# Altium PCB Slave_LHS.PcbDoc (part 3 of 3)
Units mm, origin at the board's own origin, x right, y up, seen from the top; angles counter-clockwise.
Board outline 65 x 162 mm, 4 copper layers (Top Layer, Int1 (GND), Int2 (PWR), Bottom Layer), stack 1.369 mm thick; 258 components, 190 nets, 698 pads, 180 vias.
Unrouted connection lines stored in the file: 7.
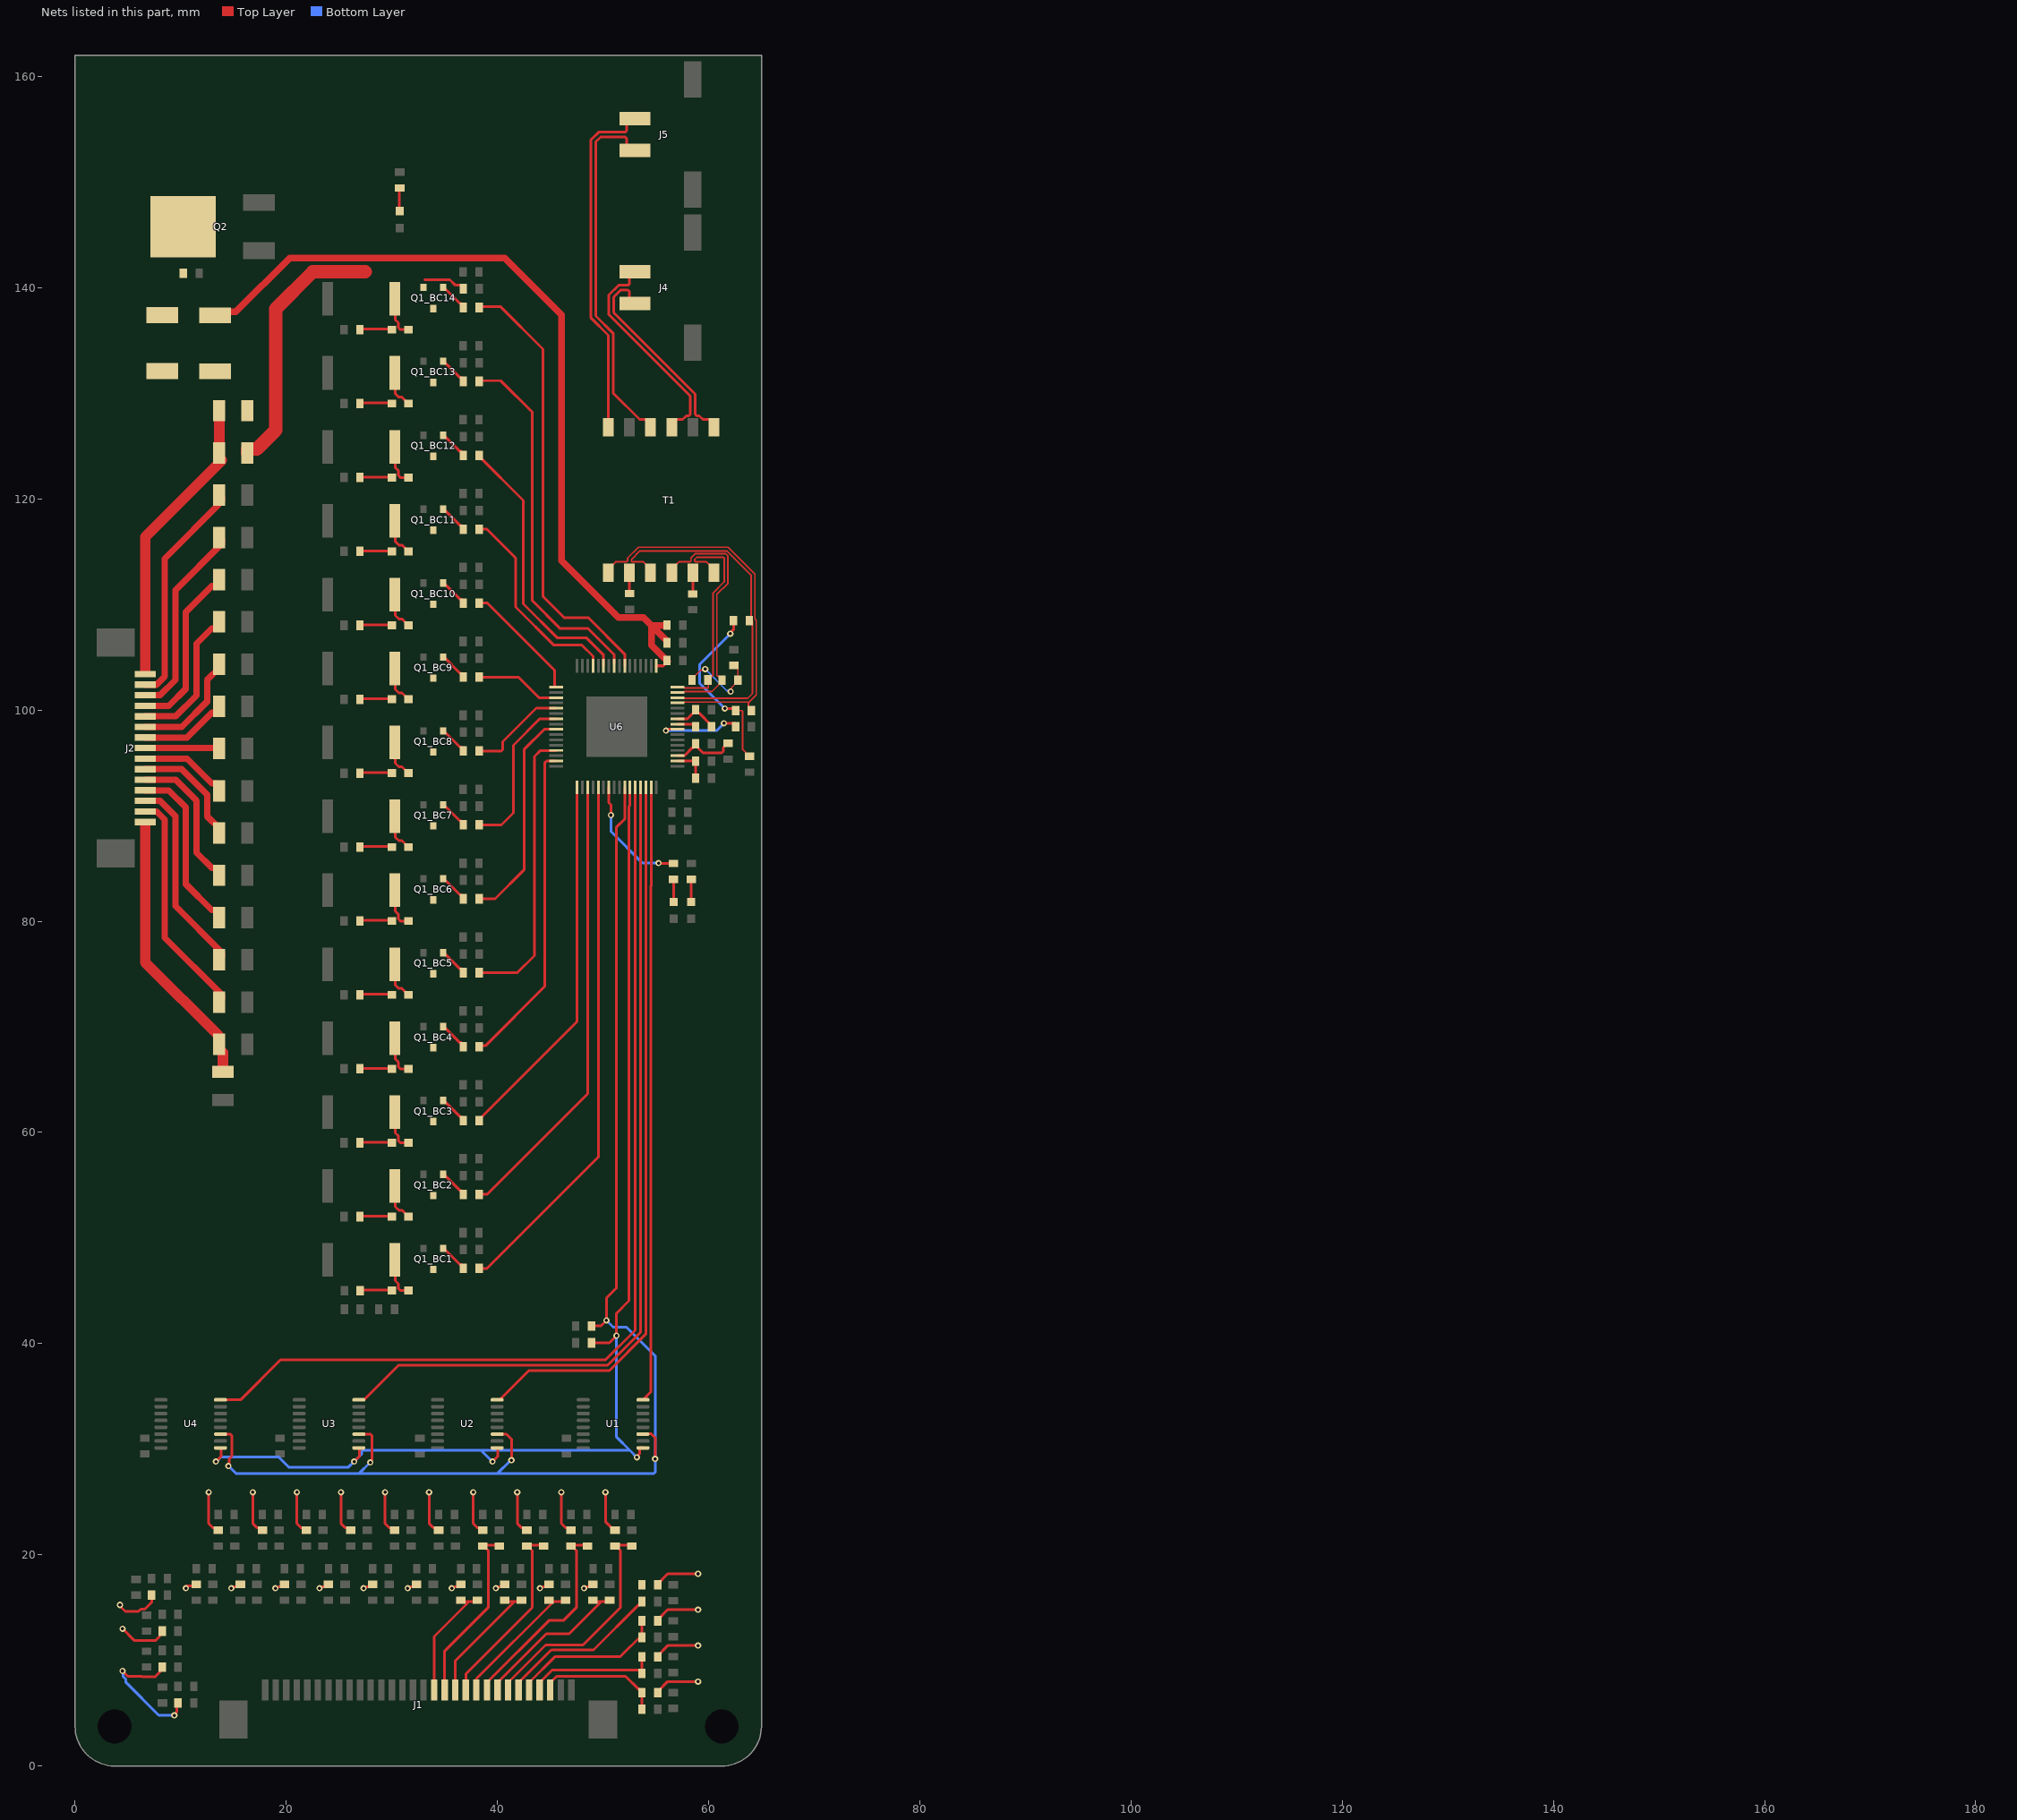
[diagram p3: the nets of this part, all layers, seen from the top]

## Via types
v1: diameter 0.6, hole 0.3, Top Layer to Bottom Layer, 180 vias

## Nets (pads, with @x,y where several pads share a name; then routed paths per layer and width w, separated by ;. In a path a pad name is that pad's centre, name@x,y a point inside that pad or via, vN(x,y) a via of type N, cw(c..) or ccw(c..) an arc to the next point about the centre after c; other vN are vias at no path point) (continued)
FPC17: J1.17 R21_AFE17.1 R22_AFE17.1 | length 11.7
  Top Layer w0.254: J1.17@34,7.2 34,12.262 37.313,15.575 ; R21_AFE17.1@36.202,15.477 36.425,15.7 R21_AFE17.1@36.525,15.7 ; R21_AFE17.1@36.525,15.575 37.313,15.575 ; R22_AFE17.1@38.1,15.575 37.313,15.575
FPC18: J1.18 R21_AFE18.1 R22_AFE18.1 | length 17.2
  Top Layer w0.254: J1.18@35,7.2 35,10.875 39.125,15 39.125,20.412 38.713,20.825 R21_AFE18.1@38.613,20.825 38.687,20.9 40.113,20.9 R22_AFE18.1@40.188,20.825
FPC19: J1.19 R21_AFE19.1 R22_AFE19.1 | length 12.2
  Top Layer w0.254: J1.19@36,7.2 36,9.962 41.488,15.45 ; R21_AFE19.1@40.7,15.7 40.825,15.575 42.15,15.575 R22_AFE19.1@42.275,15.7
FPC20: J1.20 R21_AFE20.1 R22_AFE20.1 | length 18.1
  Top Layer w0.254: J1.20@37,7.2 37,8.7 43.3,15 43.3,20.412 42.888,20.825 R21_AFE20.1@42.788,20.825 42.862,20.9 44.288,20.9 R22_AFE20.1@44.363,20.825
FPC21: J1.21 R21_AFE21.1 R22_AFE21.1 | length 13.4
  Top Layer w0.254: J1.21@38,7.2 38,8.25 R21_AFE21.1@45.325,15.575 ; R21_AFE21.1@44.552,15.477 44.775,15.7 R21_AFE21.1@44.875,15.7 ; R21_AFE21.1@44.875,15.575 R21_AFE21.1@45.325,15.575 ; R22_AFE21.1@46.45,15.575 R21_AFE21.1@45.325,15.575
FPC22: J1.22 R21_AFE22.1 R22_AFE22.1 | length 19.8
  Top Layer w0.254: J1.22@39,7.2 39,7.895 44.88,13.775 46.25,13.775 47.475,15 47.475,20.412 47.063,20.825 R21_AFE22.1@46.963,20.825 47.037,20.9 48.463,20.9 R22_AFE22.1@48.538,20.825
FPC23: J1.23 R21_AFE23.1 R22_AFE23.1 | length 15.3
  Top Layer w0.254: J1.23@40,7.2 40,7.895 44.63,12.525 46.788,12.525 49.838,15.575 ; R21_AFE23.1@49.05,15.575 49.838,15.575 ; R22_AFE23.1@50.625,15.575 49.838,15.575
FPC24: J1.24 R21_AFE24.1 R22_AFE24.1 | length 22
  Top Layer w0.254: J1.24@41,7.2 41,7.895 44.555,11.45 48.1,11.45 51.65,15 51.65,20.412 51.238,20.825 R21_AFE24.1@51.138,20.825 51.212,20.9 52.638,20.9 R22_AFE24.1@52.713,20.825
FPC25: J1.25 R21_AFE25.1 R22_AFE25.1 | length 15.6
  Top Layer w0.254: J1.25@42,7.2 42,7.895 45.105,11 49.1,11 53.352,15.252 53.452,15.252 53.675,15.475 R22_AFE25.1@53.675,15.575
FPC26: J1.26 R21_AFE26.1 R22_AFE26.1 | length 14.8
  Top Layer w0.254: J1.26@43,7.2 43,7.895 45.48,10.375 51.65,10.375 R22_AFE26.1@53.675,12.4 ; R22_AFE26.1@53.675,12.175 R22_AFE26.1@53.675,12.4 ; R21_AFE26.1@53.675,13.75 R22_AFE26.1@53.675,12.4
FPC27: J1.27 R21_AFE27.1 R22_AFE27.1 | length 12.4
  Top Layer w0.254: J1.27@44,7.2 44,7.895 45.205,9.1 R22_AFE27.1@53.675,9.1 ; R22_AFE27.1@53.675,8.775 R22_AFE27.1@53.675,9.1 ; R21_AFE27.1@53.675,10.35 R22_AFE27.1@53.675,9.1
FPC28: J1.28 R21_AFE28.1 R22_AFE28.1 | length 11.9
  Top Layer w0.254: J1.28@45,7.2 45,7.895 45.605,8.5 52.125,8.5 53.352,7.273 53.452,7.273 53.675,7.05 R21_AFE28.1@53.675,6.95 R22_AFE28.1@53.675,5.375
HC2_BC1: D1_BC1.2 Q1_BC1.3 R5_BC1.1 | length 3.9
  Top Layer w0.254: R5_BC1.1@30.325,47.983 30.325,45.962 30.616,45.671 30.616,45.215 30.806,45.025 D1_BC1.2@31.587,45.025
HC2_BC2: D1_BC2.2 Q1_BC2.3 R5_BC2.1 | length 3.7
  Top Layer w0.254: R5_BC2.1@30.325,54.983 30.325,52.962 30.655,52.632 30.955,52.632 31.512,52.075 D1_BC2.2@31.637,52.075
HC2_BC3: D1_BC3.2 Q1_BC3.3 R5_BC3.1 | length 3.9
  Top Layer w0.254: R5_BC3.1@30.325,61.983 30.325,59.962 30.616,59.671 30.616,59.215 30.806,59.025 D1_BC3.2@31.587,59.025
HC2_BC4: D1_BC4.2 Q1_BC4.3 R5_BC4.1 | length 3.9
  Top Layer w0.254: R5_BC4.1@30.325,68.983 30.325,66.962 30.616,66.671 30.616,66.215 30.806,66.025 D1_BC4.2@31.587,66.025
HC2_BC5: D1_BC5.2 Q1_BC5.3 R5_BC5.1 | length 3.7
  Top Layer w0.254: R5_BC5.1@30.325,75.983 30.325,73.962 30.655,73.632 30.955,73.632 31.512,73.075 D1_BC5.2@31.637,73.075
HC2_BC6: D1_BC6.2 Q1_BC6.3 R5_BC6.1 | length 3.9
  Top Layer w0.254: R5_BC6.1@30.325,82.983 30.325,80.962 30.616,80.671 30.616,80.215 30.806,80.025 D1_BC6.2@31.587,80.025
HC2_BC7: D1_BC7.2 Q1_BC7.3 R5_BC7.1 | length 3.7
  Top Layer w0.254: R5_BC7.1@30.325,89.983 30.325,87.962 30.655,87.632 30.955,87.632 31.512,87.075 D1_BC7.2@31.637,87.075
HC2_BC8: D1_BC8.2 Q1_BC8.3 R5_BC8.1 | length 3.7
  Top Layer w0.254: R5_BC8.1@30.325,96.983 30.325,94.962 30.655,94.632 30.955,94.632 31.512,94.075 D1_BC8.2@31.637,94.075
HC2_BC9: D1_BC9.2 Q1_BC9.3 R5_BC9.1 | length 3.7
  Top Layer w0.254: R5_BC9.1@30.325,103.983 30.325,101.962 30.655,101.632 30.955,101.632 31.512,101.075 D1_BC9.2@31.637,101.075
HC2_BC10: D1_BC10.2 Q1_BC10.3 R5_BC10.1 | length 3.7
  Top Layer w0.254: R5_BC10.1@30.325,110.983 30.325,108.962 30.655,108.632 30.955,108.632 31.512,108.075 D1_BC10.2@31.637,108.075
HC2_BC11: D1_BC11.2 Q1_BC11.3 R5_BC11.1 | length 3.7
  Top Layer w0.254: R5_BC11.1@30.325,117.983 30.325,115.962 30.655,115.632 30.955,115.632 31.512,115.075 D1_BC11.2@31.637,115.075
HC2_BC12: D1_BC12.2 Q1_BC12.3 R5_BC12.1 | length 3.9
  Top Layer w0.254: R5_BC12.1@30.325,124.983 30.325,122.962 30.616,122.671 30.616,122.215 30.806,122.025 D1_BC12.2@31.587,122.025
HC2_BC13: D1_BC13.2 Q1_BC13.3 R5_BC13.1 | length 3.7
  Top Layer w0.254: R5_BC13.1@30.325,131.983 30.325,129.962 30.655,129.632 30.955,129.632 31.512,129.075 D1_BC13.2@31.637,129.075
HC2_BC14: D1_BC14.2 Q1_BC14.3 R5_BC14.1 | length 3.9
  Top Layer w0.254: R5_BC14.1@30.325,138.983 30.325,136.962 30.616,136.671 30.616,136.215 30.806,136.025 D1_BC14.2@31.587,136.025
IA_N: R20.1 T1.7 U6.61 | length 36.5
  Top Layer w0.15: T1.7@50.5,113 50.5,113.347 51.187,114.034 52.237,114.034 52.325,114.122 52.325,114.391 53.353,115.419 61.852,115.419 64.377,112.894 64.377,108.633 64.464,108.545 64.5,108.545 64.5,101.423 63.84,100.763 63.695,100.763 ; U6.61@57.05,100.675 57.575,100.675 57.662,100.763 63.695,100.763 ; R20.1@64.05,99.95 63.775,100.225 63.775,100.682 63.695,100.763
IA_P: R19.2 T1.9 U6.62 | length 34.1
  Top Layer w0.15: T1.9@54.5,113 54.5,113.347 53.813,114.034 52.763,114.034 52.675,114.122 52.675,114.246 53.497,115.069 61.707,115.069 64.027,112.749 64.027,108.652 R19.2@63.85,108.475 64.15,108.475 64.15,101.568 63.695,101.113 63.55,101.113 57.713,101.113 57.7,101.125 57.1,101.125 U6.62@57.05,101.175
IB_N: R18.1 T1.10 U6.63 | length 23.8
  Top Layer w0.15: T1.10@56.5,113 56.5,113.347 57.187,114.034 58.237,114.034 58.325,114.122 58.325,114.391 58.751,114.817 61.603,114.817 61.828,114.592 61.828,112.003 60.78,110.955 60.78,103.28 60.868,103.192 61,103.192 61.275,102.917 R18.1@61.275,102.825 61.275,102.725 60.3,101.75 58.488,101.75 57.713,101.75 57.688,101.725 57.1,101.725 U6.63@57.05,101.675
IB_P: R17.2 T1.12 U6.64 | length 21.5
  Top Layer w0.15: U6.64@57.05,102.175 57.1,102.125 57.688,102.125 57.713,102.1 58.632,102.1 59.975,102.1 59.975,102.8 R17.2@59.925,102.85 59.925,102.932 60.2,103.207 60.342,103.207 60.43,103.295 60.43,111.1 61.478,112.147 61.478,114.379 61.39,114.467 58.896,114.467 58.675,114.246 58.675,114.122 58.763,114.034 59.813,114.034 60.5,113.347 T1.12@60.5,113
IBAIS: R8.2 U6.57 | length 1.8
  Top Layer w0.254: U6.57@57.05,98.675 58.552,98.675 58.775,98.452 R8.2@58.775,98.425
ICMP: R7.2 R8.1 U6.58 | length 4.2
  Top Layer w0.254: U6.58@57.05,99.175 58,99.175 58.775,99.95 58.998,99.727 59.073,99.727 60.275,98.525 R8.1@60.275,98.425
NetC6_2: C6.2 C7.2 C8.2 R9.2 U6.1 | length 80.8
  Top Layer w0.254: C8.2@56.05,104.702 56.05,104.675 C8.2@56.123,104.602
  Top Layer w0.305: U6.1@55.05,104.175 55.696,104.175 C8.2@56.123,104.602 ; C7.2@56.013,108.013 C7.2@56.05,108.05
  Top Layer w0.635: R9.2@13.25,137.375 13.601,137.726 15.226,137.726 20.321,142.821 40.676,142.821 46.064,137.433 46.064,114.144 51.452,108.756 53.843,108.756 54.586,108.013 ; C7.2@56.013,108.013 54.586,108.013 ; C6.2@56.05,106.376 56.087,106.413 56.087,106.513 54.586,108.013 ; C8.2@56.123,104.602 54.586,106.14 54.586,108.013
NetC18_2: C18.2 R17.1 R18.2 | length 8
  Top Layer w0.15: R17.1@58.425,102.85 58.425,102.95 59.264,103.789 59.589,103.789 v1(59.675,103.875) ; v1(62.075,101.75) 62.161,101.836 62.161,102.111 62.775,102.725 62.775,103.95 62.5,104.225 C18.2@62.4,104.225
  Bottom Layer w0.15: v1(59.675,103.875) 61.714,101.836 61.989,101.836 v1(62.075,101.75)
NetC19_2: C19.2 R19.1 R20.2 | length 17
  Top Layer w0.15: R20.2@62.55,99.95 63.137,99.95 63.225,99.862 63.225,96.275 63.5,96 63.5,95.9 63.775,95.625 C19.2@63.875,95.625
  Top Layer w0.254: v1(61.525,100.15) 62.35,100.15 R20.2@62.55,99.95 ; v1(62.05,107.225) 62.05,107.319 62.35,107.619 R19.1@62.35,108.475
  Bottom Layer w0.254: v1(61.525,100.15) 59.146,102.529 59.146,104.321 v1(62.05,107.225)
NetC20_1: C20.1 T1.11 | length 2
  Top Layer w0.254: C20.1@58.5,111 T1.11@58.5,113
NetC21_2: C21.2 T1.8 | length 2
  Top Layer w0.254: C21.2@52.5,111.025 T1.8@52.5,113
NetD1_BC1_1: D1_BC1.1 R6_BC1.2 | length 3
  Top Layer w0.254: R6_BC1.2@27.014,45.075 D1_BC1.1@30.037,45.075
NetD1_BC2_1: D1_BC2.1 R6_BC2.2 | length 3
  Top Layer w0.254: R6_BC2.2@27.014,52.075 D1_BC2.1@30.037,52.075
NetD1_BC3_1: D1_BC3.1 R6_BC3.2 | length 3
  Top Layer w0.254: R6_BC3.2@27.014,59.075 D1_BC3.1@30.037,59.075
NetD1_BC4_1: D1_BC4.1 R6_BC4.2 | length 3
  Top Layer w0.254: R6_BC4.2@27.014,66.075 D1_BC4.1@30.037,66.075
NetD1_BC5_1: D1_BC5.1 R6_BC5.2 | length 3
  Top Layer w0.254: R6_BC5.2@27.014,73.075 D1_BC5.1@30.037,73.075
NetD1_BC6_1: D1_BC6.1 R6_BC6.2 | length 3
  Top Layer w0.254: R6_BC6.2@27.014,80.075 D1_BC6.1@30.037,80.075
NetD1_BC7_1: D1_BC7.1 R6_BC7.2 | length 3
  Top Layer w0.254: R6_BC7.2@27.014,87.075 D1_BC7.1@30.037,87.075
NetD1_BC8_1: D1_BC8.1 R6_BC8.2 | length 3
  Top Layer w0.254: R6_BC8.2@27.014,94.075 D1_BC8.1@30.037,94.075
NetD1_BC9_1: D1_BC9.1 R6_BC9.2 | length 3
  Top Layer w0.254: R6_BC9.2@27.014,101.075 D1_BC9.1@30.037,101.075
NetD1_BC10_1: D1_BC10.1 R6_BC10.2 | length 3
  Top Layer w0.254: R6_BC10.2@27.014,108.075 D1_BC10.1@30.037,108.075
NetD1_BC11_1: D1_BC11.1 R6_BC11.2 | length 3
  Top Layer w0.254: R6_BC11.2@27.014,115.075 D1_BC11.1@30.037,115.075
NetD1_BC12_1: D1_BC12.1 R6_BC12.2 | length 3
  Top Layer w0.254: R6_BC12.2@27.014,122.075 D1_BC12.1@30.037,122.075
NetD1_BC13_1: D1_BC13.1 R6_BC13.2 | length 3
  Top Layer w0.254: R6_BC13.2@27.014,129.075 D1_BC13.1@30.037,129.075
NetD1_BC14_1: D1_BC14.1 R6_BC14.2 | length 3
  Top Layer w0.254: R6_BC14.2@27.014,136.075 D1_BC14.1@30.037,136.075
NetD2_1: D2.1 R12.2 | length 2.2
  Top Layer w0.254: D2.1@30.75,147.25 30.694,147.306 30.694,149.394 R12.2@30.75,149.45
NetD3_1: D3.1 R13.2 | length 2.2
  Top Layer w0.254: D3.1@58.35,81.825 R13.2@58.35,83.975
NetD4_1: D4.1 R14.2 | length 2.2
  Top Layer w0.254: D4.1@56.675,81.825 R14.2@56.675,83.975
NetQ1_BC1_1: Q1_BC1.1 R4_BC1.1 | length 2.8
  Top Layer w0.254: Q1_BC1.1@34.925,49.075 34.925,49.025 36.452,47.498 36.602,47.498 36.825,47.275 R4_BC1.1@36.825,47.175
NetQ1_BC2_1: Q1_BC2.1 R4_BC2.1 | length 2.8
  Top Layer w0.254: Q1_BC2.1@34.925,56.075 34.925,56.025 36.452,54.498 36.602,54.498 36.825,54.275 R4_BC2.1@36.825,54.175
NetQ1_BC3_1: Q1_BC3.1 R4_BC3.1 | length 2.8
  Top Layer w0.254: Q1_BC3.1@34.925,63.075 34.925,63.025 36.452,61.498 36.602,61.498 36.825,61.275 R4_BC3.1@36.825,61.175
NetQ1_BC4_1: Q1_BC4.1 R4_BC4.1 | length 2.8
  Top Layer w0.254: Q1_BC4.1@34.925,70.075 34.925,70.025 36.452,68.498 36.602,68.498 36.825,68.275 R4_BC4.1@36.825,68.175
NetQ1_BC5_1: Q1_BC5.1 R4_BC5.1 | length 2.8
  Top Layer w0.254: Q1_BC5.1@34.925,77.075 34.925,77.025 36.452,75.498 36.602,75.498 36.825,75.275 R4_BC5.1@36.825,75.175
NetQ1_BC6_1: Q1_BC6.1 R4_BC6.1 | length 2.8
  Top Layer w0.254: Q1_BC6.1@34.925,84.075 34.925,84.025 36.452,82.498 36.602,82.498 36.825,82.275 R4_BC6.1@36.825,82.175
NetQ1_BC7_1: Q1_BC7.1 R4_BC7.1 | length 2.8
  Top Layer w0.254: Q1_BC7.1@34.925,91.075 34.925,91.025 36.452,89.498 36.602,89.498 36.825,89.275 R4_BC7.1@36.825,89.175
NetQ1_BC8_1: Q1_BC8.1 R4_BC8.1 | length 2.8
  Top Layer w0.254: Q1_BC8.1@34.925,98.075 34.925,98.025 36.452,96.498 36.602,96.498 36.825,96.275 R4_BC8.1@36.825,96.175
NetQ1_BC9_1: Q1_BC9.1 R4_BC9.1 | length 2.8
  Top Layer w0.254: Q1_BC9.1@34.925,105.075 34.925,105.025 36.452,103.498 36.602,103.498 36.825,103.275 R4_BC9.1@36.825,103.175
NetQ1_BC10_1: Q1_BC10.1 R4_BC10.1 | length 2.8
  Top Layer w0.254: Q1_BC10.1@34.925,112.075 34.925,112.025 36.452,110.498 36.602,110.498 36.825,110.275 R4_BC10.1@36.825,110.175
NetQ1_BC11_1: Q1_BC11.1 R4_BC11.1 | length 2.8
  Top Layer w0.254: Q1_BC11.1@34.925,119.075 34.925,119.025 36.452,117.498 36.602,117.498 36.825,117.275 R4_BC11.1@36.825,117.175
NetQ1_BC12_1: Q1_BC12.1 R4_BC12.1 | length 2.8
  Top Layer w0.254: Q1_BC12.1@34.925,126.075 34.925,126.025 36.452,124.498 36.602,124.498 36.825,124.275 R4_BC12.1@36.825,124.175
NetQ1_BC13_1: Q1_BC13.1 R4_BC13.1 | length 2.8
  Top Layer w0.254: Q1_BC13.1@34.925,133.075 34.925,133.025 36.452,131.498 36.602,131.498 36.825,131.275 R4_BC13.1@36.825,131.175
NetQ1_BC14_1: Q1_BC14.1 R4_BC14.1 | length 2.8
  Top Layer w0.254: Q1_BC14.1@34.925,140.075 34.925,140.025 36.452,138.498 36.602,138.498 36.825,138.275 R4_BC14.1@36.825,138.175
NetU1_8: U1.8 U6.47 | length 58.3
  Top Layer w0.254: U1.8@53.775,34.675 54.542,35.442 54.542,83.342 54.55,83.35 U6.47@54.55,92.675
NetU2_8: U2.8 U6.46 | length 68.5
  Top Layer w0.254: U2.8@39.975,34.675 40.254,34.675 40.298,34.719 40.298,34.773 42.975,37.45 50.6,37.45 54.05,40.9 U6.46@54.05,92.675
NetU3_8: U3.8 U6.45 | length 80.9
  Top Layer w0.254: U3.8@26.875,34.675 27.35,34.675 30.629,37.954 50.429,37.954 53.546,41.071 53.546,83.755 53.55,83.759 U6.45@53.55,92.675
NetU4_8: U4.8 U6.44 | length 93.4
  Top Layer w0.254: U4.8@13.775,34.675 15.675,34.675 19.458,38.458 50.233,38.458 53.042,41.267 53.042,83.963 53.05,83.971 U6.44@53.05,92.675
PORTA_N: J5.1 T1.6 | length 33.2
  Top Layer w0.254: T1.6@50.5,126.785 50.5,135.5 48.867,137.133 48.867,154.009 49.585,154.727 52.098,154.727 52.247,154.876 52.247,155.492 52.755,156 J5.1@53.02,156
PORTA_P: J5.2 T1.4 | length 34.3
  Top Layer w0.254: J5.2@53.02,153 52.755,153 52.247,153.508 52.247,154.124 52.098,154.273 49.773,154.273 49.321,153.821 49.321,137.321 50.954,135.688 50.954,130.022 53.46,127.516 54.117,127.516 54.5,127.132 T1.4@54.5,126.785
PORTB_N: J4.1 T1.3 | length 20.7
  Top Layer w0.254: J4.1@53.02,141.5 53.018,141.5 52.51,140.992 52.51,140.376 52.361,140.227 51.471,140.227 50.546,139.302 50.546,137.454 58.273,129.727 58.273,128.02 58.124,127.871 57.895,127.871 57.54,127.516 56.883,127.516 56.5,127.132 T1.3@56.5,126.785
PORTB_P: J4.2 T1.1 | length 20
  Top Layer w0.254: J4.2@53.02,138.5 53.018,138.5 52.51,139.008 52.51,139.624 52.361,139.773 51.659,139.773 51,139.114 51,137.642 58.727,129.915 58.727,128.02 58.876,127.871 59.105,127.871 59.46,127.516 60.117,127.516 60.5,127.132 T1.1@60.5,126.785
S1: R4_BC1.2 U6.37 | length 50.6
  Top Layer w0.254: R4_BC1.2@38.275,47.125 39.006,47.125 49.55,57.669 U6.37@49.55,92.675
S2: R4_BC2.2 U6.35 | length 43.2
  Top Layer w0.254: R4_BC2.2@38.275,54.125 39.006,54.125 48.55,63.669 U6.35@48.55,92.675
S3: R4_BC3.2 U6.33 | length 35.3
  Top Layer w0.254: R4_BC3.2@38.275,61.225 47.55,70.5 U6.33@47.55,92.675
S4: R4_BC4.2 U6.31 | length 30.9
  Top Layer w0.254: R4_BC4.2@38.275,68.125 38.357,68.207 38.857,68.207 44.5,73.85 44.5,95.026 44.649,95.175 U6.31@45.55,95.175
S5: R4_BC5.2 U6.29 | length 27
  Top Layer w0.254: R4_BC5.2@38.275,75.125 41.875,75.125 43.5,76.75 43.5,95.6 44.075,96.175 U6.29@45.55,96.175
S6: R4_BC6.2 U6.25 | length 20.6
  Top Layer w0.254: R4_BC6.2@38.275,82.125 39.772,82.125 42.512,84.865 42.512,96.25 44.437,98.175 U6.25@45.55,98.175
S7: R4_BC7.2 U6.23 | length 15.2
  Top Layer w0.254: R4_BC7.2@38.275,89.125 40.375,89.125 41.504,90.254 41.504,96.668 44.019,99.183 44.7,99.183 44.706,99.177 45.548,99.177 U6.23@45.55,99.175
S8: R4_BC8.2 U6.21 | length 9.4
  Top Layer w0.254: R4_BC8.2@38.275,96.125 40.375,96.125 40.5,96.25 40.5,97 43.675,100.175 U6.21@45.55,100.175
S9: R4_BC9.2 U6.19 | length 8.1
  Top Layer w0.254: R4_BC9.2@38.275,103.125 41.986,103.125 43.936,101.175 U6.19@45.55,101.175
S10: R4_BC10.2 U6.17 | length 11.4
  Top Layer w0.254: R4_BC10.2@38.275,110.125 39.05,110.125 45.423,103.752 45.423,102.302 U6.17@45.55,102.175
S11: R4_BC11.2 U6.13 | length 19.4
  Top Layer w0.254: R4_BC11.2@38.275,117.125 39.006,117.125 41.733,114.398 41.733,109.758 45.345,106.146 48.005,106.146 49.05,105.101 U6.13@49.05,104.175
S12: R4_BC12.2 U6.11 | length 26.4
  Top Layer w0.254: R4_BC12.2@38.275,124.125 38.275,124.025 42.444,119.856 42.444,110.053 45.64,106.857 48.401,106.857 50.05,105.209 U6.11@50.05,104.175
S13: R4_BC13.2 U6.9 | length 34.8
  Top Layer w0.254: R4_BC13.2@38.275,131.125 38.341,131.191 40.309,131.191 43.304,128.196 43.304,110.349 45.936,107.717 48.583,107.717 51.05,105.25 U6.9@51.05,104.425
S14: R4_BC14.2 U6.7 | length 42.3
  Top Layer w0.254: R4_BC14.2@38.275,138.125 38.341,138.191 40.309,138.191 44.312,134.188 44.312,110.766 46.353,108.725 48.625,108.725 52.05,105.3 U6.7@52.05,104.175
SCL: R1.1 U1.1 U2.1 U3.1 U4.1 U6.43 | length 115.6
  Top Layer w0.254: v1(13.325,28.825) 13.825,29.325 13.825,30.081 13.819,30.081 U4.1@13.775,30.125 ; v1(26.425,28.825) 26.925,29.325 26.925,30.081 26.919,30.081 U3.1@26.875,30.125 ; v1(39.525,28.825) 40.025,29.325 40.025,30.081 40.019,30.081 U2.1@39.975,30.125 ; R1.1@48.875,40.075 50.6,40.075 v1(51.275,40.75) 51.275,42.875 52.45,44.05 52.45,90.875 52.55,90.975 U6.43@52.55,92.675 ; v1(53.2,29.225) 53.2,29.319 53.45,29.569 53.45,30.081 53.539,30.169 U1.1@53.875,30.169
  Bottom Layer w0.254: v1(13.325,28.825) 13.388,28.825 13.838,29.275 19.25,29.275 20.225,28.3 25.9,28.3 v1(26.425,28.825) 27.125,29.525 27.125,29.751 27.274,29.9 38.45,29.9 ; v1(39.525,28.825) 38.45,29.9 ; v1(51.275,40.75) 51.275,31.15 52.525,29.9 ; v1(53.2,29.225) 52.525,29.9 ; 38.45,29.9 52.525,29.9
SDA: R2.1 U1.3 U2.3 U3.3 U4.3 U6.42 | length 129.2
  Top Layer w0.254: U4.3@13.775,31.425 14.701,31.425 14.85,31.276 14.85,29.344 14.587,29.081 14.587,28.462 v1(14.525,28.4) ; U3.3@26.875,31.425 27.976,31.425 28.125,31.276 28.125,29.019 27.95,28.844 v1(27.95,28.75) ; U2.3@39.975,31.425 40.851,31.425 41.325,30.951 v1(41.325,28.95) ; R2.1@48.9,41.65 48.925,41.675 49.8,41.675 v1(50.325,42.2) 50.325,44.325 51.25,45.25 51.25,88.875 52.05,89.675 U6.42@52.05,92.675 ; U1.3@53.569,31.45 53.576,31.443 54.311,31.443 54.318,31.45 54.575,31.45 54.93,31.095 v1(54.93,29.08)
  Bottom Layer w0.254: v1(14.525,28.4) 14.55,28.4 15.275,27.675 26.875,27.675 ; v1(27.95,28.75) 26.875,27.675 ; v1(41.325,28.95) 41.25,28.95 39.975,27.675 ; v1(50.325,42.2) 50.974,41.551 52.224,41.551 54.93,38.845 v1(54.93,29.08) 54.93,27.824 54.781,27.675 39.975,27.675 ; 26.875,27.675 39.975,27.675
Top14: F1_BC14.2 Q1_BC14.2 R3_BC14.1 | length 29.3
  Top Layer w0.254: 33.098,140.75 35.5,140.75 36.027,140.223 36.552,140.223 36.775,140 R3_BC14.1@36.775,139.9
  Top Layer w1.27: F1_BC14.2@16.32,124.35 16.32,124.665 16.385,124.73 17.23,124.73 19,126.5 19,138 22.5,141.5 27.5,141.5
USER_LED: R14.1 U6.39 | length 11.4
  Top Layer w0.254: U6.39@50.55,92.675 50.55,91.219 50.75,91.019 v1(50.75,90.05) ; v1(55.25,85.5) 55.263,85.487 56.663,85.487 R14.1@56.675,85.475
  Bottom Layer w0.254: v1(50.75,90.05) 50.75,88.497 53.747,85.5 v1(55.25,85.5)
Vin: F2.2 R9.1 R10.2
Vin2: C16.2 Q2.2 R10.1
VREF1: C9.2 C10.2 U6.51 | length 6.2
  Top Layer w0.254: U6.51@57.05,95.675 57.052,95.677 57.702,95.677 58.452,96.427 58.552,96.427 C9.2@58.775,96.65 ; C9.2@58.775,96.75 C9.2@58.775,96.65 ; C10.2@61.85,96.85 61.75,96.85 61.527,96.627 61.527,96.577 61.378,96.428 61.378,96.099 61.23,95.95 59.475,95.95 C9.2@58.775,96.65
VREF2: C11.2 C12.2 R21_AFE1.2 R21_AFE2.2 R21_AFE3.2 R21_AFE4.2 R21_AFE5.2 R21_AFE6.2 R21_AFE7.2 R21_AFE8.2 R21_AFE9.2 R21_AFE10.2 R21_AFE11.2 R21_AFE12.2 R21_AFE13.2 R21_AFE14.2 R21_AFE15.2 R21_AFE16.2 R21_AFE17.2 R21_AFE18.2 R21_AFE19.2 R21_AFE20.2 R21_AFE21.2 R21_AFE22.2 R21_AFE23.2 R21_AFE24.2 R21_AFE25.2 R21_AFE26.2 R21_AFE27.2 R21_AFE28.2 U6.50 | length 93.1
  Top Layer w0.254: v1(4.25,15.25) 4.25,15.156 4.594,14.813 4.594,14.81 4.773,14.631 6.007,14.631 6.23,14.854 6.604,14.854 7.243,15.493 7.243,16.168 R21_AFE4.2@7.25,16.175 ; v1(4.5,9) 5,8.5 6.328,8.5 6.366,8.463 7.6,8.463 8.027,8.889 8.027,9.152 R21_AFE2.2@8.25,9.375 ; v1(4.5,13) 5.638,11.862 7.6,11.862 8.027,12.289 8.027,12.552 R21_AFE3.2@8.25,12.775 ; v1(9.4,4.8) 9.4,4.894 9.65,5.144 9.65,5.875 R21_AFE1.2@9.75,5.975 ; v1@10.5,17 10.566,17.066 11.341,17.066 R21_AFE5.2@11.475,17.2 ; v1(12.65,25.925) 12.65,22.975 13.077,22.548 13.34,22.548 R21_AFE6.2@13.563,22.325 ; v1(14.794,16.825) 14.887,16.825 15.039,16.977 15.327,16.977 15.425,17.075 R21_AFE7.2@15.65,17.075 ; v1(16.825,25.925) 16.825,22.975 17.252,22.548 17.515,22.548 R21_AFE8.2@17.738,22.325 ; v1(18.969,16.825) 19.062,16.825 19.214,16.977 19.502,16.977 19.6,17.075 R21_AFE9.2@19.825,17.075 ; v1(21,25.925) 21,22.975 21.427,22.548 21.69,22.548 R21_AFE10.2@21.913,22.325 ; v1(23.144,16.825) 23.237,16.825 23.389,16.977 23.677,16.977 23.775,17.075 R21_AFE11.2@24,17.075 ; v1(25.175,25.925) 25.175,22.975 25.602,22.548 25.865,22.548 R21_AFE12.2@26.088,22.325 ; v1(27.319,16.825) 27.412,16.825 27.564,16.977 27.852,16.977 27.95,17.075 R21_AFE13.2@28.175,17.075 ; v1(29.35,25.925) 29.35,22.975 29.777,22.548 30.04,22.548 R21_AFE14.2@30.263,22.325 ; v1(31.494,16.825) 31.587,16.825 31.739,16.977 32.027,16.977 32.125,17.075 R21_AFE15.2@32.35,17.075 ; v1(33.525,25.925) 33.525,22.975 33.952,22.548 34.215,22.548 R21_AFE16.2@34.438,22.325 ; v1(35.669,16.825) 35.762,16.825 35.914,16.977 36.202,16.977 36.3,17.075 R21_AFE17.2@36.525,17.075 ; v1(37.7,25.925) 37.7,22.975 38.127,22.548 38.39,22.548 R21_AFE18.2@38.613,22.325 ; v1(39.844,16.825) 39.937,16.825 40.089,16.977 40.377,16.977 40.475,17.075 R21_AFE19.2@40.7,17.075 ; v1(41.875,25.925) 41.875,22.975 42.302,22.548 42.565,22.548 R21_AFE20.2@42.788,22.325 ; v1(44.019,16.825) 44.112,16.825 44.264,16.977 44.552,16.977 44.65,17.075 R21_AFE21.2@44.875,17.075 ; v1(46.05,25.925) 46.05,22.975 46.477,22.548 46.74,22.548 R21_AFE22.2@46.963,22.325 ; v1(48.194,16.825) 48.287,16.825 48.439,16.977 48.727,16.977 48.825,17.075 R21_AFE23.2@49.05,17.075 ; v1(50.225,25.925) 50.225,23.138 51.038,22.325 R21_AFE24.2@51.138,22.325 ; R21_AFE28.2@55.175,7.05 56.125,8 v1(59,8) ; R21_AFE27.2@55.175,10.45 56.125,11.4 v1(59,11.4) ; R21_AFE26.2@55.175,13.85 56.125,14.8 v1(59,14.8) ; R21_AFE25.2@55.175,17.25 56.125,18.2 v1(59,18.2) ; U6.50@57.05,95.175 58.75,95.175 58.775,95.15 C12.2@58.775,93.55
  Bottom Layer w0.254: v1(4.5,9) 4.566,8.934 4.566,8.442 4.816,8.192 4.816,7.909 7.925,4.8 v1(9.4,4.8)
  other v1: 10.5,16.825
VTap1: F1_BC1.1 J2.14 | length 21.8
  Top Layer w0.6: J2.14@6.65,90.4 6.655,90.395 7.73,90.395 8.5,89.625 8.5,78.445 13.9,73.045 13.9,72.6 F1_BC1.1@13.65,72.35
VTap2: F1_BC2.1 J2.13 | length 19
  Top Layer w0.6: J2.13@6.65,91.4 8.05,91.4 9.5,89.95 9.5,81.445 13.9,77.045 13.9,76.6 F1_BC2.1@13.65,76.35
VTap3: F1_BC3.1 J2.12 | length 16.5
  Top Layer w0.6: J2.12@6.65,92.4 6.655,92.395 8.88,92.395 10.5,90.775 10.5,83.5 12.935,81.065 13.38,81.065 13.65,80.795 F1_BC3.1@13.65,80.35
VTap4: F1_BC4.1 J2.11 | length 13.9
  Top Layer w0.6: J2.11@6.65,93.4 6.655,93.395 9.53,93.395 11.5,91.425 11.5,86.5 12.935,85.065 13.38,85.065 13.65,84.795 F1_BC4.1@13.65,84.35
VTap5: F1_BC5.1 J2.10 | length 11
  Top Layer w0.6: J2.10@6.65,94.4 10.1,94.4 12.5,92 12.5,89.945 13.65,88.795 F1_BC5.1@13.65,88.35
VTap6: F1_BC6.1 J2.9 | length 8.5
  Top Layer w0.6: J2.9@6.65,95.4 10.6,95.4 12.935,93.065 13.38,93.065 13.65,92.795 F1_BC6.1@13.65,92.35
VTap7: F1_BC7.1 J2.8 | length 7
  Top Layer w0.6: J2.8@6.65,96.4 13.6,96.4 F1_BC7.1@13.65,96.35
VTap8: F1_BC8.1 J2.7 | length 8.5
  Top Layer w0.6: J2.7@6.65,97.4 10.6,97.4 12.935,99.735 13.38,99.735 13.65,100.005 F1_BC8.1@13.65,100.45
VTap9: F1_BC9.1 J2.6 | length 11
  Top Layer w0.6: J2.6@6.65,98.4 10.1,98.4 12.5,100.8 12.5,102.855 13.65,104.005 F1_BC9.1@13.65,104.45
VTap10: F1_BC10.1 J2.5 | length 13.9
  Top Layer w0.6: J2.5@6.65,99.4 6.655,99.405 9.53,99.405 11.5,101.375 11.5,106.3 12.935,107.735 13.38,107.735 13.65,108.005 F1_BC10.1@13.65,108.45
VTap11: F1_BC11.1 J2.4 | length 16.5
  Top Layer w0.6: J2.4@6.65,100.4 6.655,100.405 8.88,100.405 10.5,102.025 10.5,109.3 12.935,111.735 13.38,111.735 13.65,112.005 F1_BC11.1@13.65,112.45
VTap12: F1_BC12.1 J2.3 | length 19
  Top Layer w0.6: J2.3@6.65,101.4 8.05,101.4 9.5,102.85 9.5,111.355 13.9,115.755 13.9,116.2 F1_BC12.1@13.65,116.45
VTap13: F1_BC13.1 J2.2 | length 21.8
  Top Layer w0.6: J2.2@6.65,102.4 6.655,102.405 7.73,102.405 8.5,103.175 8.5,114.355 13.9,119.755 13.9,120.2 F1_BC13.1@13.65,120.45
VTap14: F1_BC14.1 F2.1 J2.1 | length 27.7
  Top Layer w1: 6.65,103.75 6.65,116.405 13.9,123.655 13.65,123.905 F1_BC14.1@13.65,124.35 F2.1@13.65,128.35
VTap-1: F3.1 F4.1 J2.15 | length 26.3
  Top Layer w1: 6.65,89 6.65,76.1 13.58,69.17 13.58,68.42 F3.1@13.65,68.35 13.65,67.905 14,67.555 F4.1@14,65.75
WDT: R11.2 U6.56 | length 8
  Top Layer w0.254: v1(55.95,98.05) 56.075,98.175 U6.56@57.05,98.175 ; v1(61.45,98.75) R11.2@62.55,98.75
  Bottom Layer w0.254: v1(55.95,98.05) 60.75,98.05 v1(61.45,98.75)
pads on no net: J1.S1 J1.S2 J2.S J4.P1 J4.P2 J5.P1 J5.P2 M3. T1. T1.2 T1.5 U6.2 U6.3 U6.5 U6.14 U6.15 U6.26 U6.27 U6.41 U6.53 U6.54

## Polygon pours and split planes (outlines as drawn)
no net on Top Layer "NONET_L-01_P-001" (solid, pour order 53): 0,162 65,162 65,0 0,0
+5 on Top Layer "NONET_L-01_P-001" (solid, pour order 16): 15.25,144.75 15.25,151 29.25,151 29.25,144.75
Vin2 on Top Layer "VIN2_L01_P054" (solid, pour order 54): 10.6,148.929 10.671,149 14.5,149 14.5,157.5 10.75,157.5
Vin2 on Top Layer "NONET_L-01_P-001" (solid, pour order 15): 10.75,135.55 10.75,157.5 3,157.5 3,135.55
CB1 on Top Layer "NONET_L-01_P-001" (solid, pour order 51): 9.25,64.25 15.75,64.25 15.75,58.25 9.25,58.25
Vin on Top Layer "NONET_L-01_P-001" (solid, pour order 18): 14.814,130.5 6,130.5 6,134.679 17.814,134.679 17.814,129.179 17.814,126.429 14.814,126.429
Top14 on Top Layer "NONET_L-01_P-001" (solid, pour order 34): 32.113,138.6 33.888,138.6 33.887,142 26.613,142 26.613,140.75 32.112,140.75
CB14 on Top Layer "NONET_L-01_P-001" (solid, pour order 33): 32.113,131.6 33.888,131.6 33.887,135 26.613,135 26.613,133.75 32.112,133.75
CB13 on Top Layer "NONET_L-01_P-001" (solid, pour order 32): 32.113,124.6 33.888,124.6 33.887,128 26.613,128 26.613,126.75 32.112,126.75
CB12 on Top Layer "NONET_L-01_P-001" (solid, pour order 31): 32.113,117.6 33.888,117.6 33.887,121 26.613,121 26.613,119.75 32.112,119.75
CB11 on Top Layer "NONET_L-01_P-001" (solid, pour order 30): 32.113,110.6 33.888,110.6 33.887,114 26.613,114 26.613,112.75 32.112,112.75
CB10 on Top Layer "NONET_L-01_P-001" (solid, pour order 29): 32.113,103.6 33.888,103.6 33.887,107 26.613,107 26.613,105.75 32.112,105.75
CB9 on Top Layer "NONET_L-01_P-001" (solid, pour order 28): 32.113,96.6 33.888,96.6 33.887,100 26.613,100 26.613,98.75 32.112,98.75
CB8 on Top Layer "NONET_L-01_P-001" (solid, pour order 27): 32.113,89.6 33.888,89.6 33.887,93 26.613,93 26.613,91.75 32.112,91.75
CB7 on Top Layer "NONET_L-01_P-001" (solid, pour order 26): 32.113,82.6 33.888,82.6 33.887,86 26.613,86 26.613,84.75 32.112,84.75
CB6 on Top Layer "NONET_L-01_P-001" (solid, pour order 25): 32.113,75.6 33.888,75.6 33.887,79 26.613,79 26.613,77.75 32.112,77.75
CB5 on Top Layer "NONET_L-01_P-001" (solid, pour order 24): 32.113,68.6 33.888,68.6 33.887,72 26.613,72 26.613,70.75 32.112,70.75
CB4 on Top Layer "NONET_L-01_P-001" (solid, pour order 23): 32.113,61.6 33.888,61.6 33.887,65 26.613,65 26.613,63.75 32.112,63.75
CB3 on Top Layer "NONET_L-01_P-001" (solid, pour order 22): 32.113,54.6 33.888,54.6 33.887,58 26.613,58 26.613,56.75 32.112,56.75
CB2 on Top Layer "NONET_L-01_P-001" (solid, pour order 21): 32.113,47.6 33.888,47.6 33.887,51 26.613,51 26.613,49.75 32.112,49.75
HC2_BC14 on Top Layer "NONET_L-01_P-001" (solid, pour order 14): 30.075,140.525 32.15,140.525 32.15,138.425 35.5,138.425 35.5,137.275 30.075,137.275
HC2_BC13 on Top Layer "NONET_L-01_P-001" (solid, pour order 13): 30.075,133.525 32.15,133.525 32.15,131.425 35.5,131.425 35.5,130.275 30.075,130.275
HC2_BC12 on Top Layer "NONET_L-01_P-001" (solid, pour order 12): 30.075,126.525 32.15,126.525 32.15,124.425 35.5,124.425 35.5,123.275 30.075,123.275
HC2_BC11 on Top Layer "NONET_L-01_P-001" (solid, pour order 11): 30.075,119.525 32.15,119.525 32.15,117.425 35.5,117.425 35.5,116.275 30.075,116.275
HC2_BC10 on Top Layer "NONET_L-01_P-001" (solid, pour order 10): 30.075,112.525 32.15,112.525 32.15,110.425 35.5,110.425 35.5,109.275 30.075,109.275
HC2_BC9 on Top Layer "NONET_L-01_P-001" (solid, pour order 9): 30.075,105.525 32.15,105.525 32.15,103.425 35.5,103.425 35.5,102.275 30.075,102.275
HC2_BC8 on Top Layer "NONET_L-01_P-001" (solid, pour order 8): 30.075,98.525 32.15,98.525 32.15,96.425 35.5,96.425 35.5,95.275 30.075,95.275
HC2_BC7 on Top Layer "NONET_L-01_P-001" (solid, pour order 6): 30.075,91.525 32.15,91.525 32.15,89.425 35.5,89.425 35.5,88.275 30.075,88.275
HC2_BC6 on Top Layer "NONET_L-01_P-001" (solid, pour order 5): 30.075,84.525 32.15,84.525 32.15,82.425 35.5,82.425 35.5,81.275 30.075,81.275
HC2_BC5 on Top Layer "NONET_L-01_P-001" (solid, pour order 4): 30.075,77.525 32.15,77.525 32.15,75.425 35.5,75.425 35.5,74.275 30.075,74.275
HC2_BC4 on Top Layer "NONET_L-01_P-001" (solid, pour order 3): 30.075,70.525 32.15,70.525 32.15,68.425 35.5,68.425 35.5,67.275 30.075,67.275
HC2_BC3 on Top Layer "NONET_L-01_P-001" (solid, pour order 2): 30.075,63.525 32.15,63.525 32.15,61.425 35.5,61.425 35.5,60.275 30.075,60.275
HC2_BC2 on Top Layer "NONET_L-01_P-001" (solid, pour order 1): 30.075,56.525 32.15,56.525 32.15,54.425 35.5,54.425 35.5,53.275 30.075,53.275
HC2_BC1 on Top Layer "NONET_L-01_P-001" (solid, pour order 0): 30.075,49.525 32.15,49.525 32.15,47.425 35.5,47.425 35.5,45.75 30.075,45.75
+5 on Top Layer "NONET_L-01_P-001" (solid, pour order 19): 54.85,94 54.85,87.45 57.05,87.45 57.05,94
CB1 on Bottom Layer "NONET_L-01_P-001" (solid, pour order 52): 0,162 65,162 65,0 0,0
VREF2 on Bottom Layer "NONET_L-01_P-001" (solid, pour order 48): 11.906,25.406 6.5,25.406 6.5,18.25 3.75,18.25 3.75,26.6 11.906,26.6
VREF2 on Bottom Layer "NONET_L-01_P-001" (solid, pour order 47): 9.875,16 4.525,16 3.675,16.85 3.675,18.175 3.75,18.25 9.25,18.25 9.25,18.125 9.875,17.5
CB1 on Bottom Layer "NONET_L-01_P-001" (solid, pour order 41): 5.25,16.25 5.25,8.25 7.175,8.25 7.175,16.25
VREF2 on Bottom Layer "NONET_L-01_P-001" (solid, pour order 46): 49,17.5 52.25,20.75 60,20.75 60,19.225 55.225,19.225 52,16 49,16
CB1 on Bottom Layer "NONET_L-01_P-001" (solid, pour order 45): 13.05,25.35 13.05,24.275 52.15,24.275 52.25,24.375 52.25,25.35
VREF2 on Bottom Layer "NONET_L-01_P-001" (solid, pour order 44): 11.906,25.425 11.906,26.6 51.031,26.6 51.031,25.425
VREF2 on Bottom Layer "NONET_L-01_P-001" (solid, pour order 40): 5.175,16.85 5.175,8.25 3.675,8.25 3.675,16.85
VREF2 on Bottom Layer "NONET_L-01_P-001" (solid, pour order 38): 58,19.225 58,5.725 60,5.725 60,19.225
CB1 on Bottom Layer "NONET_L-01_P-001" (solid, pour order 37): 58,19.225 58,5.725 56.5,5.725 56.5,19.225
VREF2 on Bottom Layer "NONET_L-01_P-001" (solid, pour order 42): 9.875,16 9.875,17.5 49,17.5 49,16
CB1 on Bottom Layer "NONET_L-01_P-001" (solid, pour order 43): 10.956,18.85 10.956,20.35 50.125,20.35 50.125,18.85
+5 on Bottom Layer "NONET_L-01_P-001" (solid, pour order 39): 54.85,93.75 54.85,87.45 57.05,87.45 57.05,93.75
+5 on Bottom Layer "NONET_L-01_P-001" (solid, pour order 36): 3.875,40.75 3.875,36.6 8.85,36.6 8.85,40.75
+5 on Bottom Layer "NONET_L-01_P-001" (solid, pour order 35): 15.25,144.75 15.25,151 29.25,151 29.25,144.75

## Silkscreen, mask and mechanical layers (free items; w line width, h text height)
Top Overlay:
  region: 48.896,119.322 48.896,119.218 49.208,119.218 49.208,119.322 49.208,119.425 48.896,119.425
  region: 55.436,119.322 55.436,119.218 55.539,119.218 55.539,119.322 55.539,119.425 55.436,119.425
  text "5V" at 173,36.022 h2
  text "A0: 0 / A1: 0" at 9.925,35.325 h1
  text "A0: 1 / A1: 0" at 23.025,35.325 h1
  text "A0: 1 / A1: 1" at 49.925,35.325 h1
  text "A0: 0 / A1: 1" at 36.147,35.303 h1
  text "BMS V.1" at 64.467,31.5 h3 r90
Bottom Overlay:
  drawing of 93 lines, arcs and shapes, not listed
  text "hehe funny meme  / xD" at 26.5,127 h10
Board Outline:
  lines w0.1: 0,4 0,3.75 ccw(c3.75,3.75) 3.75,0 61.25,0 ccw(c61.25,3.75) 65,3.75 65,162 0,162 0,4 ; 0,4 0,4

## Text inside footprints (layer, text, board x,y; h text height)
?: Top Overlay "TRACTIVE / VOLTAGE" at 5.4,38.95 h3